# Altium PCB PrintNC_GRBLHAL_Breakout.pcbdoc (part 1 of 9) (continued)
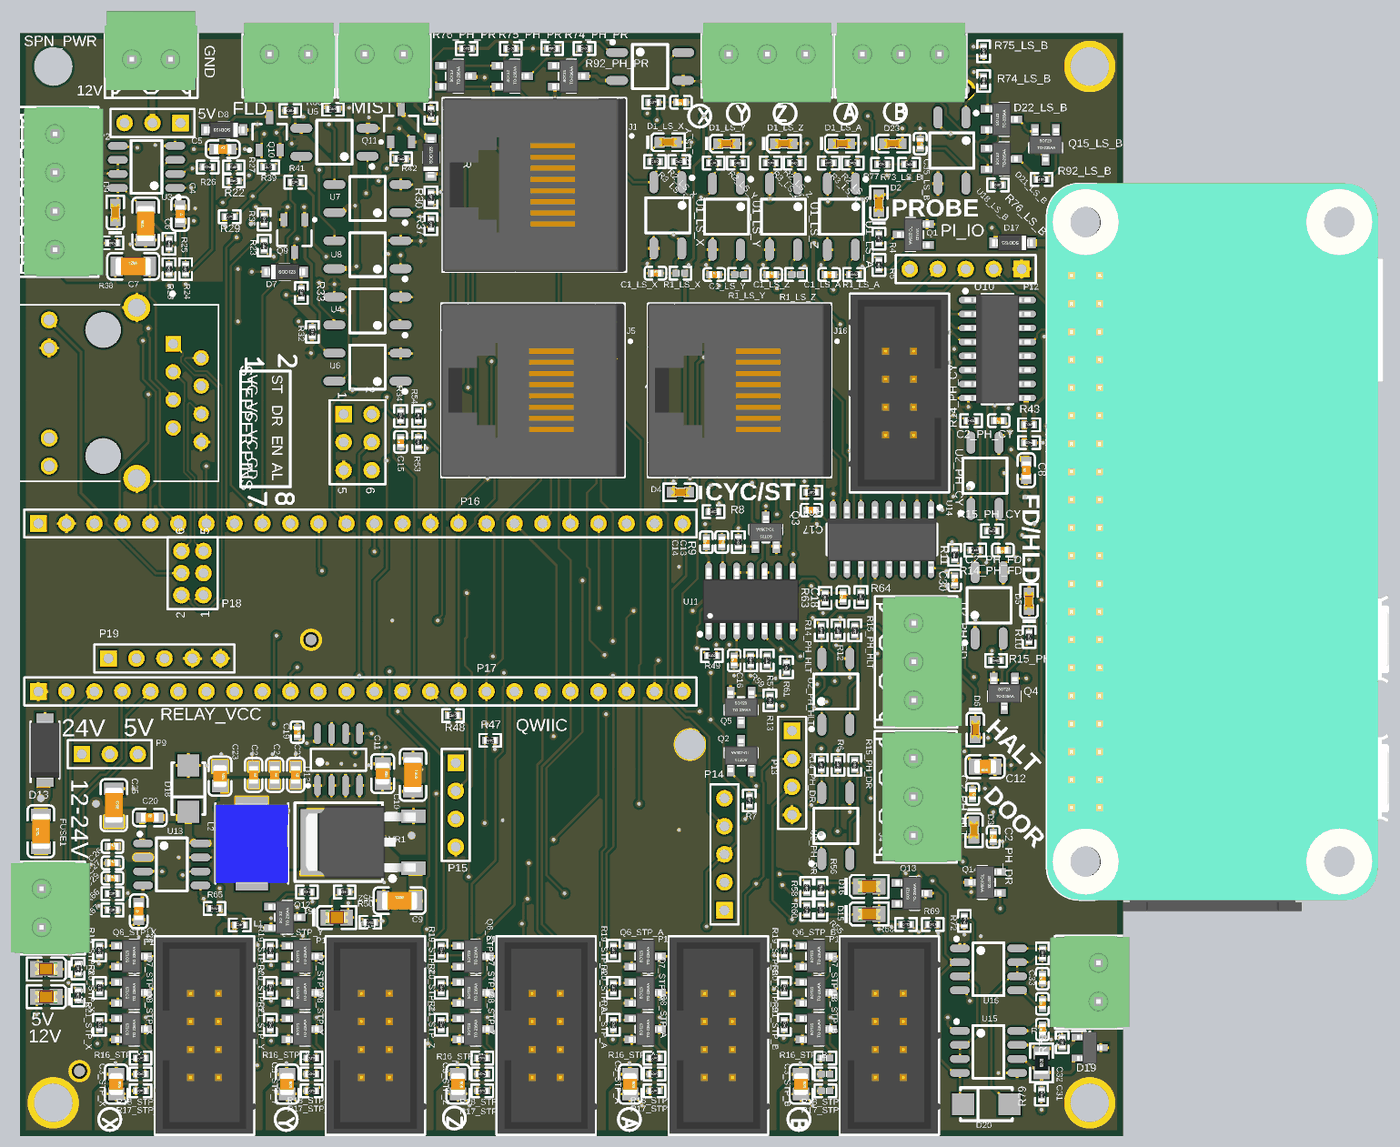
[diagram p12: 3D render of the assembled board from above, using the file's embedded part models]

## Layer stack, top to bottom
Top Solder: solder mask 0.0102, Solder Resist, Dk 3.5
Top Layer: signal copper 0.0356
Dielectric 3: prepreg 0.0711, PP-006, Dk 4.1
GND: signal copper 0.035
Dielectric1: dielectric 0.32, FR-4, Dk 4.8
PWR: signal copper 0.035
Dielectric 4: prepreg 0.0711, PP-006, Dk 4.1
Bottom Layer: signal copper 0.0356
Bottom Solder: solder mask 0.0102, Solder Resist, Dk 3.5

## Board outline
0,0 100,0 100,100 0,100

## Design rules (kind name [scope] priority, off if disabled: settings)
BoardOutlineClearance [OnLayer('Top Layer')] p1: gap=0.508 ignorepadtopadclearanceinfootprint=FALSE
BoardOutlineClearance BoardOutlineClearance_3 [OnLayer('GND')] p2: gap=0.508 ignorepadtopadclearanceinfootprint=FALSE
BoardOutlineClearance BoardOutlineClearance_2 [OnLayer('PWR')] p3: gap=0.508 ignorepadtopadclearanceinfootprint=FALSE
BoardOutlineClearance BoardOutlineClearance_1 [OnLayer('Bottom Layer')] p4: gap=0.508 ignorepadtopadclearanceinfootprint=FALSE
Clearance [All] p1: gap=0.203 ignorepadtopadclearanceinfootprint=TRUE except(0: SMDPad-Hole Fill-Hole Poly-Hole Region-Hole Text-Hole; 0.254: Arc-Text Arc-Hole Track-Text Track-Hole SMDPad-Text THPad-Text Via-Via Via-Text Fill-Fill Fill-Poly Fill-Region Fill-Text Poly-Poly Poly-Region Poly-Text Region-Region Region-Text Text-Text; 0.305: SMDPad-Via THPad-Via; 0.5: THPad-Hole Via-Hole; 0.508: SMDPad-SMDPad SMDPad-THPad THPad-THPad)
Clearance "Pad Clearance" [IsPad vs IsPad] p2: gap=0.254 ignorepadtopadclearanceinfootprint=TRUE except(0: Arc-Hole Track-Hole SMDPad-Hole THPad-Hole Via-Hole Fill-Hole Poly-Hole Region-Hole Text-Hole; 0.203: Arc-Arc Arc-Track Arc-Fill Arc-Poly Arc-Region Track-Track Track-Fill Track-Poly Track-Region SMDPad-Fill SMDPad-Poly SMDPad-Region THPad-Fill THPad-Poly THPad-Region Via-Fill Via-Poly Via-Region; 0.305: SMDPad-Via THPad-Via; 0.508: SMDPad-SMDPad SMDPad-THPad THPad-THPad)
DiffPairsRouting [All] p1: maxlimit=0.254 minlimit=0.203 mostfreqgap=0.203 toplayer_minwidth=0.152 toplayer_maxwidth=0.381 toplayer_prefwidth=0.254 midlayer1_minwidth=0.152 midlayer1_maxwidth=0.381 midlayer1_prefwidth=0.254 midlayer2_minwidth=0.152 midlayer2_maxwidth=0.381 midlayer2_prefwidth=0.254 bottomlayer_minwidth=0.152 bottomlayer_maxwidth=0.381 bottomlayer_prefwidth=0.254 maxuncoupledlength=12.7
HoleSize [All] p1: absolutevalues=TRUE maxlimit=5.08 minlimit=0.025 maxpercent=80.000 minpercent=20.000
MinimumAnnularRing [All] p1: minimumring=0.16
MinimumSolderMaskSliver [All] p1: minsoldermaskwidth=0.127
PolygonConnect [All] p1: connectstyle=Relief reliefconductorwidth=0.254 reliefentries=4 polygonreliefangle="90 Angle" airgapwidth=0.254
RoomDefinition PH_PR [InComponentClass('PH_PR')] p1: confinementstyle=ConfineIn formatcopy=FALSE lockcomponents=FALSE outline 37.125,94.125 61.5,94.125 61.5,102.225 37.125,102.225
RoomDefinition PH_FD [InComponentClass('PH_FD')] p2: confinementstyle=ConfineIn formatcopy=TRUE lockcomponents=FALSE outline 90.5,42.25 90.5,54 85.375,54 85.375,42.25
RoomDefinition PH_CY [InComponentClass('PH_CY')] p3: confinementstyle=ConfineIn formatcopy=TRUE lockcomponents=FALSE outline 90.125,54 90.125,65.75 85,65.75 85,54
RoomDefinition LS_Z [InComponentClass('LS_Z')] p4: confinementstyle=ConfineIn formatcopy=TRUE lockcomponents=FALSE outline 67,91.25 67,77.125 71.5,77.125 71.5,91.25
RoomDefinition LS_Y [InComponentClass('LS_Y')] p5: confinementstyle=ConfineIn formatcopy=TRUE lockcomponents=FALSE outline 61.825,91.25 61.825,77.125 66.325,77.125 66.325,91.25
RoomDefinition LS_X [InComponentClass('LS_X')] p6: confinementstyle=ConfineIn formatcopy=TRUE lockcomponents=FALSE outline 56.5,91.375 56.5,77.25 61,77.25 61,91.375
RoomDefinition LS_A [InComponentClass('LS_A')] p7: confinementstyle=ConfineIn formatcopy=TRUE lockcomponents=FALSE outline 72.25,91.25 72.25,77.125 76.75,77.125 76.75,91.25
RoomDefinition PH_DR [InComponentClass('PH_DR')] p8: confinementstyle=ConfineIn formatcopy=FALSE lockcomponents=FALSE outline 68.765,36.322 68.765,24.13 84.709,24.13 84.709,36.322
RoomDefinition LS_B [InComponentClass('LS_B')] p9: confinementstyle=ConfineIn formatcopy=FALSE lockcomponents=FALSE outline 86.138,85.5 61.5,85.5 61.5,101.645 86.138,101.645
RoomDefinition STP_Z [InComponentClass('STP_Z')] p10: confinementstyle=ConfineIn formatcopy=TRUE lockcomponents=FALSE outline 52.832,-0.381 42.724,-0.381 42.724,1.36 38.246,1.36 38.246,8.751 37.249,8.751 37.249,12.097 37.249,14.755 37.249,18.14 42.724,18.14 42.724,18.597 52.832,18.597
RoomDefinition STP_Y [InComponentClass('STP_Y')] p11: confinementstyle=ConfineIn formatcopy=TRUE lockcomponents=FALSE outline 37.338,-0.381 27.23,-0.381 27.23,1.36 22.752,1.36 22.752,8.751 21.755,8.751 21.755,12.097 21.755,14.755 21.755,18.14 27.23,18.14 27.23,18.597 37.338,18.597
RoomDefinition STP_X [InComponentClass('STP_X')] p12: confinementstyle=ConfineIn formatcopy=TRUE lockcomponents=FALSE outline 21.844,-0.381 11.736,-0.381 11.736,1.36 7.258,1.36 7.258,8.751 6.261,8.751 6.261,12.097 6.261,14.755 6.261,18.14 11.736,18.14 11.736,18.597 21.844,18.597
RoomDefinition STP_B [InComponentClass('STP_B')] p13: confinementstyle=ConfineIn formatcopy=TRUE lockcomponents=FALSE outline 83.947,-0.381 73.839,-0.381 73.839,1.36 69.361,1.36 69.361,8.751 68.364,8.751 68.364,12.097 68.364,14.755 68.364,18.14 73.839,18.14 73.839,18.597 83.947,18.597
RoomDefinition STP_A [InComponentClass('STP_A')] p14: confinementstyle=ConfineIn formatcopy=TRUE lockcomponents=FALSE outline 68.453,-0.381 58.345,-0.381 58.345,1.36 53.867,1.36 53.867,8.751 52.87,8.751 52.87,12.097 52.87,14.755 52.87,18.14 58.345,18.14 58.345,18.597 68.453,18.597
RoomDefinition SPINDLE [InComponentClass('SPINDLE')] p15: confinementstyle=ConfineIn formatcopy=TRUE lockcomponents=FALSE outline 36.957,101.517 0.091,101.517 0.091,69.513 36.957,69.513
RoutingVias [All] p1: holewidth=0.711 width=1.27 viastyle="Through Hole" minholewidth=0.711 minwidth=1.27 maxholewidth=0.711 maxwidth=1.27 useviatemplates=TRUE viatemplateguid#1={29321985-CF2A-4769-A0B6-67998678A9C6} viatemplatename#1=v70h35m0mx0
SilkToSolderMaskClearance SilkscreenOverComponentPads [IsPad] p1: minsilkscreentomaskgap=0.254 clearancetoexposedcopper=TRUE
SolderMaskExpansion [All] p1: expansion=0.102 istentingtop=FALSE
ViasUnderSMD [All] p1: allowed=FALSE
Width [All] p1: maxlimit=5.08 minlimit=0.152 preferedwidth=0.203 minimp=50.000000 maximp=50.000000 favimp=50.000000
26 further rules are at their usual default settings.

## Classes and differential pairs
channel class 1x_limit_switch: LS_A LS_X LS_Y LS_Z
component class LIM_SW: D23 J1 J2 J3 R77
component class USR_SW: D2 D3 D4 D5 D6 J4 J5 J6 Q1 Q2 Q3 Q4 Q5 R4 R5 R6 R7 R8 R9 R10 R11 R12 R13
component class SPINDLE_SYNC: C30 J16 U14
component class MODBUS: C31 C32 C33 D19 D20 R68 R69 R70 R71 R72 R78 R79 U15 U16
component class LS_B: C35_LS_B D21_LS_B D22_LS_B Q15_LS_B R73_LS_B R74_LS_B R75_LS_B R76_LS_B R92_LS_B U18_LS_B
component class EXT_KEYPAD: P14 P15
component class 5V_Supply: C20 C21 C22 C23 C24 C25 C26 C27 C28 C29 D18 J15 L2 R65 R66 R67 U13
component class LS_A: C1_LS_A D1_LS_A R1_LS_A R2_LS_A R3_LS_A U1_LS_A
channel class Stepper_driver: STP_A STP_B STP_C STP_X STP_Y STP_Z
channel class Photocoupler12Vinput: PH_CY PH_DR PH_FD PH_HLT PH_RES
channel class 2xparallelswitch: LS_B LS_C PH_PR
component class STP_Z: C3_STP_Z P1_STP_Z Q6_STP_Z Q7_STP_Z Q8_STP_Z R16_STP_Z R17_STP_Z R18_STP_Z R19_STP_Z R20_STP_Z R21_STP_Z
component class STP_Y: C3_STP_Y P1_STP_Y Q6_STP_Y Q7_STP_Y Q8_STP_Y R16_STP_Y R17_STP_Y R18_STP_Y R19_STP_Y R20_STP_Y R21_STP_Y
component class STP_X: C3_STP_X P1_STP_X Q6_STP_X Q7_STP_X Q8_STP_X R16_STP_X R17_STP_X R18_STP_X R19_STP_X R20_STP_X R21_STP_X
component class STP_B: C3_STP_B P1_STP_B Q6_STP_B Q7_STP_B Q8_STP_B R16_STP_B R17_STP_B R18_STP_B R19_STP_B R20_STP_B R21_STP_B
component class STP_A: C3_STP_A P1_STP_A Q6_STP_A Q7_STP_A Q8_STP_A R16_STP_A R17_STP_A R18_STP_A R19_STP_A R20_STP_A R21_STP_A
component class SPINDLE: C4 C5 C6 D7 D8 D9 D10 J7 J8 P2 P3 P4 P5 Q9 Q10 Q11 R22 R23 R24 R25 R26 R27 R28 R29 R30 R31 R32 R33 R34 R35 R36 R37 R38 R39 R40 R41 R42 U3 U4 U5 U6 U7 U8
component class PH_PR: C35_PH_PR D21_PH_PR D22_PH_PR Q15_PH_PR R73_PH_PR R74_PH_PR R75_PH_PR R76_PH_PR R92_PH_PR U18_PH_PR
component class PH_HLT: C2_PH_HLT R14_PH_HLT R15_PH_HLT U2_PH_HLT
component class PH_FD: C2_PH_FD R14_PH_FD R15_PH_FD U2_PH_FD
component class PH_DR: C2_PH_DR R14_PH_DR R15_PH_DR U2_PH_DR
component class PH_CY: C2_PH_CY R14_PH_CY R15_PH_CY U2_PH_CY
component class LS_Z: C1_LS_Z D1_LS_Z R1_LS_Z R2_LS_Z R3_LS_Z U1_LS_Z
component class LS_Y: C1_LS_Y D1_LS_Y R1_LS_Y R2_LS_Y R3_LS_Y U1_LS_Y
component class LS_X: C1_LS_X D1_LS_X R1_LS_X R2_LS_X R3_LS_X U1_LS_X
component class U_PrintNC_BREAKOUT: A1 AD_L Analog C7 C8 C9 C10 C11 C12 C13 C14 C15 C16 C17 C18 C19 D11 D12 D13 D14 D15 D16 D17 FUSE1 J9 J10 J11 J12 J13 J14 L1 P6 P7 P8 P9 P10 P11 P12 P13 P16 P17 P18 P19 PWM_L Q12 Q13 Q14 R43 R44 R45 R46 R47 R48 R49 R50 R51 R52 R53 R54 R55 R56 R57 R58 R59 R60 R61 R62 R63 R64 U10 U11 U12 VR1
differential pair ET: +ET_p -ET_n
differential pair ER: +ER_p -ER_n

## Components (designator, comment, footprint, x,y, rotation, side; value= is the part's Value field where it differs from the comment)
A1 "ADA3708" ADA3708_RPI-ZERO 96.573,53.89 r90 top locked
C1_LS_A "100nF" 0402_C 73.375,78.125 r0 top (schematic designator C1)
C1_LS_X "100nF" 0402_C 57.625,78.25 r0 top (schematic designator C1)
C1_LS_Y "100nF" 0402_C 62.95,78.125 r0 top (schematic designator C1)
C1_LS_Z "100nF" 0402_C 68.125,78.125 r0 top (schematic designator C1)
C2_PH_CY "100nF" 0402_C 88.75,64.875 r180 top (schematic designator C2)
C2_PH_DR "100nF" 0402_C 88.25,27.125 r90 top (schematic designator C2)
C2_PH_FD "100nF" 0402_C 89.125,53.125 r180 top (schematic designator C2)
C2_PH_HLT "100nF" 0402_C 86.375,31 r270 top (schematic designator C2)
C3_STP_A "22uF" 0805_C 55.323,4.702 r270 top (schematic designator C3)
C3_STP_B "22uF" 0805_C 70.817,4.702 r270 top (schematic designator C3)
C3_STP_X "22uF" 0805_C 8.714,4.702 r270 top (schematic designator C3)
C3_STP_Y "22uF" 0805_C 24.208,4.702 r270 top (schematic designator C3)
C3_STP_Z "22uF" 0805_C 39.702,4.702 r270 top (schematic designator C3)
C4 "100nF" 0603_C 14.5,83.625 r270 top
C5 "1uF" 0603_C 18.375,89.5 r0 top
C6 "10uF" 1206_C 11.375,82.75 r90 top
C7 "100nF" 1206_C 10.25,78.875 r0 top
C8 "100nF" 0603_C 91.25,60.375 r90 top
C9 "10uF" 1206_C 34.417,21.336 r0 top
C10 "10uF" 1206_C 35.625,32.75 r270 top
C11 "22uF" 0805_C 32.875,32.86 r270 top
C12 "22uF" 0805_C 87.515,33.5 r180 top
C13 "100nF" 0402_C 63.625,53.875 r270 top
C14 "1.0uF" 0402_C 62.23,53.848 r90 top
C15 "10nF" 0402_C 34.5,62.95 r90 top
C16 "10nF" 0402_C 64.75,43.125 r90 top
C17 "10nF" 0402_C 71.75,56.75 r180 top
C18 "10nF" 0402_C 74.625,48.875 r90 top
C19 "1.0uF" 0402_C 25.125,36.625 r270 top
C20 "100nF" 0603_C 11.75,28.875 r0 top
C21 "10uF" 0603_C 21.175,32.738 r270 top
C22 "10uF" 0603_C 24.985,32.738 r270 top
C23 "22uF" 0805_C 18.125,32.625 r270 top
C24 "10uF" 0603_C 23.08,32.738 r270 top
C25 "10uF" 1206_C 8.5,30 r270 top
C26 "10nF" 0402_C 8.375,26.25 r0 top
C27 "10pF" 0402_C 8.375,24.765 r0 top
C28 "8.2nF" 0603_C 10.75,20.375 r90 top
C29 "6.8nF" 0402_C 8.375,23.375 r0 top
C30 "1.0uF" 0402_C 84.75,50.375 r90 top
C31 "1.0uF" 0402_C 92.71,9.652 r90 top
C32 "10nF" 0402_C 92.71,11.977 r90 top
C33 "10nF" 0402_C 92.71,14.263 r90 top
C35_LS_B "100nF" 0402_C 81.625,90 r270 top (schematic designator C35)
C35_PH_PR "100nF" 0402_C 59.925,93.75 r180 top (schematic designator C35)
D1_LS_A "0603 Yellow" 0603_LED_S1 74.5,90 r0 top (schematic designator D1)
D1_LS_X "0603 Yellow" 0603_LED_S1 58.75,90.125 r0 top (schematic designator D1)
D1_LS_Y "0603 Yellow" 0603_LED_S1 64.075,90 r0 top (schematic designator D1)
D1_LS_Z "0603 Yellow" 0603_LED_S1 69.25,90 r0 top (schematic designator D1)
D2 "0603 White" 0603_LED_S1 77.875,84.605 r90 top
D3 "0603 Yellow" 0603_LED_S1 86.5,27.75 r270 top
D4 "0603 Green" 0603_LED_S1 59.875,58.375 r180 top
D5 "0603 Yellow" 0603_LED_S1 91.5,48.5 r90 top
D6 "0603 Red" 0603_LED_S1 86.625,36.875 r270 top
D7 "B5819W  SL" SOD-123 24,78.375 r0 top
D8 "B5819W  SL" SOD-123 18.5,91.25 r180 top
D9 "0603 White" 0603_LED_S1 8.625,83.75 r90 top
D10 "B5819W  SL" SOD-123 37.25,88.75 r90 top
D11 "0805 Green" 0805_LED_S1 2.375,12.625 r180 top
D12 "0805 Green" 0805_LED_S1 2.375,15.125 r180 top
D13 "SMAZ27-13-F" DIOM5226X240N 2.25,35 r90 top
D14 "0805 Blue" 0805_LED_S1 28.702,19.812 r0 top
D15 "0805 Red" 0805_LED_S1 76.996,20.128 r0 top
D16 "0805 Green" 0805_LED_S1 76.996,22.628 r0 top
D17 "B5819W  SL" SOD-123 90,81 r180 top
D18 "SS54" SMA(DO-214AC)_S1 15.25,31.5 r90 top
D19 "SM712" SOT95P230X117-3N 97,8 r0 top
D20 "SS210" SMA(DO-214AC)_S1 87.625,2.875 r0 top
D21_LS_B "BAV23C" SOT-23(SOT-23-3) 89,88.625 r180 top (schematic designator D21)
D21_PH_PR "BAV23C" SOT-23(SOT-23-3) 44.625,96.125 r180 top (schematic designator D21)
D22_LS_B "BAV23A" SOT-23(SOT-23-3) 89,92.2 r180 top (schematic designator D22)
D22_PH_PR "BAV23A" SOT-23(SOT-23-3) 39.5,96.125 r180 top (schematic designator D22)
D23 "0603 Yellow" 0603_LED_S1 79.145,90 r0 top
FID1 "" Fiducial10-20 85.625,94.875 r0 top value=Fiducial
FID2 "Fiducial" Fiducial10-20 26.375,45 r0 top
FID3 "Fiducial" Fiducial10-20 5.375,5.875 r0 top
FUSE1 "24V 1A" 1206_C 1.875,27.625 r90 top
J1 "424108314" FP-5555799-1-MFG#1 46.625,86.25 r270 top locked
J2 "" SL_3_50_180G_03 79.875,97.905 r180 top
J3 "" SL_3_50_180G_03 67.75,97.905 r180 top
J4 "" SL_3_50_180G_03 81.22,30.75 r270 top
J5 "424108314" FP-5555799-1-MFG#1 46.5,67.625 r270 top
J6 "" SL_3_50_180G_03 81.25,43 r270 top
J7 "2 way net solder junction - Normally Open" 2waySolder_NO 17.5,91.5 r0 bottom
J8 "" SL_SMT_3_5_180G_04 3.375,85.625 r270 top
J9 "2 way net solder junction - Normally Open" 2waySolder_NO 35.5,64.875 r90 bottom
J10 "2 way net solder junction - Normally Open" 2waySolder_NO 28.125,22.25 r270 bottom
J11 "2 way net solder junction - Normally Open" 2waySolder_NO 47.747,24.926 r0 bottom
J12 "2 way net solder junction - Normally Open" 2waySolder_NO 47.747,16.29 r0 bottom
J13 "2 way net solder junction - Normally Open" 2waySolder_NO 47.747,19.169 r0 bottom
J14 "2 way net solder junction - Normally Open" 2waySolder_NO 47.747,22.047 r0 bottom
J15 "2 way net solder junction - Normally Open" 2waySolder_NO 9.375,25.25 r0 bottom
J16 "424108314" FP-5555799-1-MFG#2 65.25,67.625 r270 top
L1 "0Ω ±1%" 0402_R 19.925,19.125 r180 top
L2 "33 uH" INDPM7366X300N 21,26.525 r90 top
Logo1 "Expatria Technologies" Expatria-Logo -1094.701,1154.521 r180 top value="Expatria Logo"
P1_STP_A "C9135" 61200821621 63.324,9.108 r270 top (schematic designator P1)
P1_STP_B "C9135" 61200821621 78.818,9.108 r270 top (schematic designator P1)
P1_STP_X "C9135" 61200821621 16.715,9.108 r270 top (schematic designator P1)
P1_STP_Y "C9135" 61200821621 32.209,9.108 r270 top locked (schematic designator P1)
P1_STP_Z "C9135" 61200821621 47.703,9.108 r270 top (schematic designator P1)
P2 "Header 3" HDR1X3 14.54,91.875 r180 top
P3 "" SL_3_50_180G_02 11.875,97.875 r0 top
P4 "" SL_3_50_180G_02 24.364,97.905 r180 top
P5 "" SL_3_50_180G_02 33,97.905 r180 top
P6 "C9135" 61200821621 79.75,67.375 r90 top
P7 "Magjack" HANRUN_HR911105A 7.526,67.382 r90 top
P8 "" SL_3_50_180G_02 2.159,20.673 r270 top
P9 "Header 3" HDR1X3 5.585,34.625 r0 top
P10 "Header 3X2" HDR2X3 29.335,65.46 r270 top
P11 "" SL_3_50_180G_02 97.57,13.942 r90 top locked
P12 "Header 5" HDR1X5 90.83,78.625 r180 top
P13 "Header 4" HDR1X4 70,36.745 r270 top
P14 "Header 5" HDR1X5 63.875,20.46 r90 top
P15 "Header 4" HDR1X4 39.5,33.83 r270 top
P16 "Header 24" HDR1X24 1.651,55.547 r0 top
P17 "Header 24" HDR1X24 1.651,40.307 r0 top
P18 "Header 6 2mm" "HDR2X3 - 2mm" 16.621,49.047 r90 top
P19 "Header 5" HDR1X5 8.001,43.307 r0 top
Q1 "MMBT5551  G1" SOT-23(SOT-23-3) 81,81.75 r0 top
Q2 "MMBT5551  G1" SOT-23(SOT-23-3) 65.375,34.5 r270 top
Q3 "MMBT5551  G1" SOT-23(SOT-23-3) 67.625,54.75 r270 top
Q4 "MMBT5551  G1" SOT-23(SOT-23-3) 89.25,40.125 r90 top
Q5 "MMBT5551  G1" SOT-23(SOT-23-3) 65.375,38.875 r90 top
Q6_STP_A "MMBT5551  G1" SOT-23(SOT-23-3) 56.7,16.286 r180 top (schematic designator Q6)
Q6_STP_B "MMBT5551  G1" SOT-23(SOT-23-3) 72.194,16.286 r180 top (schematic designator Q6)
Q6_STP_X "MMBT5551  G1" SOT-23(SOT-23-3) 10.091,16.286 r180 top (schematic designator Q6)
Q6_STP_Y "MMBT5551  G1" SOT-23(SOT-23-3) 25.585,16.286 r180 top (schematic designator Q6)
Q6_STP_Z "MMBT5551  G1" SOT-23(SOT-23-3) 41.079,16.286 r180 top (schematic designator Q6)
Q7_STP_A "MMBT5551  G1" SOT-23(SOT-23-3) 56.7,12.984 r180 top (schematic designator Q7)
Q7_STP_B "MMBT5551  G1" SOT-23(SOT-23-3) 72.194,12.984 r180 top (schematic designator Q7)
Q7_STP_X "MMBT5551  G1" SOT-23(SOT-23-3) 10.091,12.984 r180 top (schematic designator Q7)
Q7_STP_Y "MMBT5551  G1" SOT-23(SOT-23-3) 25.585,12.984 r180 top (schematic designator Q7)
Q7_STP_Z "MMBT5551  G1" SOT-23(SOT-23-3) 41.079,12.984 r180 top (schematic designator Q7)
Q8_STP_A "MMBT5551  G1" SOT-23(SOT-23-3) 56.7,9.682 r180 top (schematic designator Q8)
Q8_STP_B "MMBT5551  G1" SOT-23(SOT-23-3) 72.194,9.682 r180 top (schematic designator Q8)
Q8_STP_X "MMBT5551  G1" SOT-23(SOT-23-3) 10.091,9.682 r180 top (schematic designator Q8)
Q8_STP_Y "MMBT5551  G1" SOT-23(SOT-23-3) 25.585,9.682 r180 top (schematic designator Q8)
Q8_STP_Z "MMBT5551  G1" SOT-23(SOT-23-3) 41.079,9.682 r180 top (schematic designator Q8)
Q9 "AO3400A N" SOT-23-3L 24.875,81.625 r90 top
Q10 "AO3400A N" SOT-23-3L 22.625,90.875 r270 top
Q11 "AO3400A N" SOT-23-3L 34.55,91.625 r270 top
Q12 "MMBT5551  G1" SOT-23(SOT-23-3) 24,19.825 r180 top
Q13 "MMBT5401 2L" SOT-23(SOT-23-3) 80.875,22 r180 top
Q14 "MMBT5401 2L" SOT-23(SOT-23-3) 87.5,23 r0 top
Q15_LS_B "MMBT5551  G1" SOT-23(SOT-23-3) 93,89.875 r90 top (schematic designator Q15)
Q15_PH_PR "MMBT5551  G1" SOT-23(SOT-23-3) 49.75,96.125 r180 top (schematic designator Q15)
R1_LS_A "10KΩ ±1%" 0402_R 75.625,78.125 r0 top (schematic designator R1)
R1_LS_X "10KΩ ±1%" 0402_R 59.875,78.25 r0 top (schematic designator R1)
R1_LS_Y "10KΩ ±1%" 0402_R 65.2,78.125 r0 top (schematic designator R1)
R1_LS_Z "10KΩ ±1%" 0402_R 70.375,78.125 r0 top (schematic designator R1)
R2_LS_A "2KΩ ±1%" 0402_R 75.5,88.25 r0 top (schematic designator R2)
R2_LS_X "2KΩ ±1%" 0402_R 59.75,88.375 r0 top (schematic designator R2)
R2_LS_Y "2KΩ ±1%" 0402_R 65.075,88.25 r0 top (schematic designator R2)
R2_LS_Z "2KΩ ±1%" 0402_R 70.25,88.25 r0 top (schematic designator R2)
R3_LS_A "4.7KΩ ±1%" 0402_R 73.325,88.25 r180 top (schematic designator R3)
R3_LS_X "4.7KΩ ±1%" 0402_R 57.575,88.375 r180 top (schematic designator R3)
R3_LS_Y "4.7KΩ ±1%" 0402_R 62.9,88.25 r180 top (schematic designator R3)
R3_LS_Z "4.7KΩ ±1%" 0402_R 68.075,88.25 r180 top (schematic designator R3)
R4 "2KΩ ±1%" 0402_R 77.875,81.375 r270 top
R5 "51KΩ ±1%" 0402_R 77.875,79 r270 top
R6 "2KΩ ±1%" 0402_R 74.168,33.655 r90 top
R7 "51KΩ ±1%" 0402_R 66.125,30.425 r90 top
R8 "2KΩ ±1%" 0402_R 62.875,56.625 r0 top
R9 "51KΩ ±1%" 0402_R 65.125,53.875 r270 top
R10 "2KΩ ±1%" 0402_R 91.5,45.25 r270 top
R11 "51KΩ ±1%" 0402_R 84.75,52.7 r270 top
R12 "2KΩ ±1%" 0402_R 74.168,45.847 r270 top
R13 "51KΩ ±1%" 0402_R 68,39.5 r90 top
R14_PH_CY "4.7KΩ ±1%" 0402_R 86.25,64.875 r0 top (schematic designator R14)
R14_PH_DR "4.7KΩ ±1%" 0402_R 72.644,33.655 r90 top (schematic designator R14)
R14_PH_FD "4.7KΩ ±1%" 0402_R 86.625,53.125 r0 top (schematic designator R14)
R14_PH_HLT "4.7KΩ ±1%" 0402_R 72.644,45.847 r90 top (schematic designator R14)
R15_PH_CY "1KΩ ±1%" 0402_R 88.125,54.875 r0 top (schematic designator R15)
R15_PH_DR "1KΩ ±1%" 0402_R 75.692,33.655 r270 top (schematic designator R15)
R15_PH_FD "1KΩ ±1%" 0402_R 88.5,43.125 r0 top (schematic designator R15)
R15_PH_HLT "1KΩ ±1%" 0402_R 75.692,45.847 r270 top (schematic designator R15)
R16_STP_A "4.7KΩ ±1%" 0402_R 57.53,7.062 r180 top (schematic designator R16)
R16_STP_B "4.7KΩ ±1%" 0402_R 73.024,7.062 r180 top (schematic designator R16)
R16_STP_X "4.7KΩ ±1%" 0402_R 10.921,7.062 r180 top (schematic designator R16)
R16_STP_Y "4.7KΩ ±1%" 0402_R 26.415,7.062 r180 top (schematic designator R16)
R16_STP_Z "4.7KΩ ±1%" 0402_R 41.909,7.062 r180 top (schematic designator R16)
R17_STP_A "4.7KΩ ±1%" 0402_R 57.53,4.087 r180 top (schematic designator R17)
R17_STP_B "4.7KΩ ±1%" 0402_R 73.024,4.087 r180 top (schematic designator R17)
R17_STP_X "4.7KΩ ±1%" 0402_R 10.921,4.087 r180 top (schematic designator R17)
R17_STP_Y "4.7KΩ ±1%" 0402_R 26.415,4.087 r180 top (schematic designator R17)
R17_STP_Z "4.7KΩ ±1%" 0402_R 41.909,4.087 r180 top (schematic designator R17)
R18_STP_A "4.7KΩ ±1%" 0402_R 57.53,5.611 r180 top (schematic designator R18)
R18_STP_B "4.7KΩ ±1%" 0402_R 73.024,5.611 r180 top (schematic designator R18)
R18_STP_X "4.7KΩ ±1%" 0402_R 10.921,5.611 r180 top (schematic designator R18)
R18_STP_Y "4.7KΩ ±1%" 0402_R 26.415,5.611 r180 top (schematic designator R18)
R18_STP_Z "4.7KΩ ±1%" 0402_R 41.909,5.611 r180 top (schematic designator R18)
R19_STP_A "2.2KΩ ±1%" 0402_R 53.799,16.811 r90 top (schematic designator R19)
R19_STP_B "2.2KΩ ±1%" 0402_R 69.293,16.811 r90 top (schematic designator R19)
R19_STP_X "2.2KΩ ±1%" 0402_R 7.19,16.811 r90 top (schematic designator R19)
R19_STP_Y "2.2KΩ ±1%" 0402_R 22.684,16.811 r90 top (schematic designator R19)
R19_STP_Z "2.2KΩ ±1%" 0402_R 38.178,16.811 r90 top (schematic designator R19)
R20_STP_A "2.2KΩ ±1%" 0402_R 53.799,13.426 r90 top (schematic designator R20)
R20_STP_B "2.2KΩ ±1%" 0402_R 69.293,13.426 r90 top (schematic designator R20)
R20_STP_X "2.2KΩ ±1%" 0402_R 7.19,13.426 r90 top (schematic designator R20)
R20_STP_Y "2.2KΩ ±1%" 0402_R 22.684,13.426 r90 top (schematic designator R20)
R20_STP_Z "2.2KΩ ±1%" 0402_R 38.178,13.426 r90 top (schematic designator R20)
R21_STP_A "2.2KΩ ±1%" 0402_R 53.799,10.08 r90 top (schematic designator R21)
R21_STP_B "2.2KΩ ±1%" 0402_R 69.293,10.08 r90 top (schematic designator R21)
R21_STP_X "2.2KΩ ±1%" 0402_R 7.19,10.08 r90 top (schematic designator R21)
R21_STP_Y "2.2KΩ ±1%" 0402_R 22.684,10.08 r90 top (schematic designator R21)
R21_STP_Z "2.2KΩ ±1%" 0402_R 38.178,10.08 r90 top (schematic designator R21)
R22 "10KΩ ±1%" 0402_R 19.375,86.625 r180 top
R23 "510Ω ±1%" 0402_R 22.125,80.75 r270 top
R24 "4.7KΩ ±1%" 0402_R 15,78.625 r270 top
R25 "10KΩ ±1%" 0402_R 13.5,80.925 r270 top
R26 "4.7KΩ ±1%" 0402_R 17,87.875 r180 top
R27 "100KΩ ±1%" 0402_R 19.375,87.875 r0 top
R28 "10KΩ ±1%" 0402_R 13.5,78.625 r270 top
R29 "4.7KΩ ±1%" 0402_R 19,83.375 r180 top
R30 "510Ω ±1%" 0402_R 37.25,85.125 r90 top
R31 "0Ω ±1%" 0402_R 24.5,93 r0 top
R32 "0Ω ±1%" 0402_R 26.5,72.925 r90 top
R33 "4.7KΩ ±1%" 0402_R 25.5,76.45 r270 top
R34 "510Ω ±1%" 0402_R 34.5,65.3 r90 top
R35 "1KΩ ±1%" 0402_R 22.125,83.125 r90 top
R36 "0Ω ±1%" 0402_R 28.375,93.125 r180 top
R37 "510Ω ±1%" 0402_R 37.25,82.7 r90 top
R38 "4.7KΩ ±1%" 0402_R 8.375,81 r0 top
R39 "1KΩ ±1%" 0402_R 22.5,87.875 r180 top
R40 "0Ω ±1%" 0402_R 37.25,92.75 r90 top
R41 "510Ω ±1%" 0402_R 24.95,86.5 r0 top
R42 "1KΩ ±1%" 0402_R 34.55,88.625 r180 top
R43 "0Ω ±1%" 0402_R 91.5,64.5 r180 top
R44 "0Ω ±1%" 0402_R 91.5,62.875 r180 top
R45 "10KΩ ±1%" 0402_R 5.25,12.75 r270 top
R46 "2KΩ ±1%" 0402_R 5.25,15.175 r90 top
R47 "4.7KΩ ±1%" 0402_R 42.625,35.875 r0 top
R48 "4.7KΩ ±1%" 0402_R 39.25,38.125 r180 top
R49 "10KΩ ±1%" 0402_R 62.738,43.561 r0 top
R50 "0Ω ±1%" 0402_R 31.75,19.375 r0 top
R51 "10KΩ ±1%" 0402_R 26,22.125 r180 top
R52 "2KΩ ±1%" 0402_R 29.425,22.125 r180 top
R53 "100KΩ ±1%" 0402_R 36.125,62.95 r270 top
R54 "510Ω ±1%" 0402_R 36.125,65.3 r270 top
R55 "4.7KΩ ±1%" 0402_R 72.625,20.5 r270 top
R56 "5.6KΩ ±1%" 0402_R 72.625,22.5 r90 top
R57 "100KΩ ±1%" 0402_R 67.75,43.125 r270 top
R58 "51KΩ ±1%" 0402_R 71.334,22.496 r270 top
R59 "510Ω ±1%" 0402_R 66.25,43.125 r90 top
R60 "51KΩ ±1%" 0402_R 71.334,20.496 r90 top
R61 "100KΩ ±1%" 0402_R 69.5,42.5 r270 top
R62 "510Ω ±1%" 0402_R 71.75,58.375 r180 top
R63 "100KΩ ±1%" 0402_R 73,48.8 r270 top
R64 "510Ω ±1%" 0402_R 76.25,48.875 r270 top
R65 "10KΩ ±1%" 0402_R 17.625,20.625 r0 top
R66 "51KΩ ±1%" 0402_R 8.375,21.971 r180 top
R67 "2KΩ ±1%" 0402_R 8.375,20.5 r180 top
R68 "2KΩ ±1%" 0402_R 80.347,19.177 r0 top
R69 "8.2KΩ ±1%" 0402_R 82.76,19.177 r0 top
R70 "120Ω ±1%" 0805_R 92.625,6.625 r90 top
R71 "3.9KΩ ±1%" 0402_R 92.71,16.554 r90 top
R72 "10KΩ ±1%" 0402_R 85.625,19.5 r90 top
R73_LS_B "10KΩ ±1%" 0402_R 80.625,88.125 r0 top (schematic designator R73)
R73_PH_PR "10KΩ ±1%" 0402_R 57.425,93.75 r180 top (schematic designator R73)
R74_LS_B "2KΩ ±1%" 0402_R 87.375,95.675 r90 top (schematic designator R74)
R74_PH_PR "2KΩ ±1%" 0402_R 48.25,98.625 r180 top (schematic designator R74)
R75_LS_B "4.7KΩ ±1%" 0402_R 87.375,98.375 r90 top (schematic designator R75)
R75_PH_PR "4.7KΩ ±1%" 0402_R 44.5,98.625 r0 top (schematic designator R75)
R76_LS_B "4.7KΩ ±1%" 0402_R 88.675,86.25 r0 top (schematic designator R76)
R76_PH_PR "4.7KΩ ±1%" 0402_R 40.5,98.625 r0 top (schematic designator R76)
R77 "1.2KΩ ±1%" 0402_R 78.175,88.125 r180 top
R78 "10KΩ ±1%" 0402_R 94.5,8.5 r90 top
R79 "10KΩ ±1%" 0402_R 92.625,3.75 r90 top
R92_LS_B "47KΩ ±1%" 0402_R 92.625,86.75 r0 top (schematic designator R92)
R92_PH_PR "47KΩ ±1%" 0402_R 51.175,98.625 r0 top (schematic designator R92)
U1_LS_A "EL357N(B)(TA)-G" SOP-4_P2.54 74.48,83.375 r270 top (schematic designator U1)
U1_LS_X "EL357N(B)(TA)-G" SOP-4_P2.54 58.73,83.5 r270 top (schematic designator U1)
U1_LS_Y "EL357N(B)(TA)-G" SOP-4_P2.54 64.055,83.375 r270 top (schematic designator U1)
U1_LS_Z "EL357N(B)(TA)-G" SOP-4_P2.54 69.23,83.375 r270 top (schematic designator U1)
U2_PH_CY "EL357N(B)(TA)-G" SOP-4_P2.54 87.5,59.875 r90 top (schematic designator U2)
U2_PH_DR "EL357N(B)(TA)-G" SOP-4_P2.54 73.972,28.11 r90 top (schematic designator U2)
U2_PH_FD "EL357N(B)(TA)-G" SOP-4_P2.54 87.875,48.125 r90 top (schematic designator U2)
U2_PH_HLT "EL357N(B)(TA)-G" SOP-4_P2.54 73.972,40.302 r90 top (schematic designator U2)
U3 "LM358DR2G" SOIC-8_150mil 11.456,87.886 r90 top
U4 "EL357N(B)(TA)-G" SOP-4_P2.54 31.5,74.824 r180 top
U5 "EL357N(B)(TA)-G" SOP-4_P2.54 28.5,90.125 r180 top
U6 "EL357N(B)(TA)-G" SOP-4_P2.54 31.496,69.723 r180 top
U7 "EL357N(B)(TA)-G" SOP-4_P2.54 31.5,85.024 r180 top
U8 "EL357N(B)(TA)-G" SOP-4_P2.54 31.5,79.924 r180 top
U10 "ULN2003AFWG" SOIC-16_150mil 88.625,71.375 r270 top
U11 "74HC14D" SOIC-14_150mil 66.25,48.5 r0 top
U12 "24LC16BT-I/SN" SOIC-SN8_L 28.875,34.125 r90 top
U13 "TPS54331DR" SOIC-8_150mil 13.75,24.625 r270 top
U14 "AM26LS32ACDRG4" SOIC-16_150mil 78.155,54.1 r180 top
U15 "SN75176BDR" SOIC-8_150mil 87.821,7.62 r270 top
U16 "NE555DR" SOIC-8_150mil 87.821,15.113 r270 top value=NE555
U18_LS_B "EL357N(B)(TA)-G" SOP-4_P2.54 84.5,89.375 r270 top (schematic designator U18)
U18_PH_PR "EL357N(B)(TA)-G" SOP-4_P2.54 57.125,97 r0 top (schematic designator U18)
VR1 "L78M12ABDT-TR" TO-252-2-180 35.668,26.642 r180 top

## Footprints (in the part's own frame and the unit in brackets; to place one, negate y for a bottom-side part, rotate by r counter-clockwise, add the part's x,y. Pads: shape width x height; smd on the part's side, far side on the other; paste and mask are expansions set on the pad)
2waySolder_NO [mm] "2 way net solder junction - Normally Open"
  rect 1x2 smd paste-1.016: 1(-0.65,0) 2(0.65,0)
  silkscreen extent -0.62,-1.8 0.65,-1.37
0402_C [mm]
  rect 0.6x0.65 smd mask+0.051: 1(-0.425,0) 2(0.425,0)
  silkscreen extent -0.97,-0.58 0.98,0.57, body extent -0.48,-0.3 0.52,0.3, height 0.2
0402_R [mm]
  rect 0.6x0.65 smd mask+0.051: 1(-0.425,0) 2(0.425,0)
  silkscreen extent -0.97,-0.58 0.97,0.58, body extent -0.57,-0.27 0.58,0.28, height 0.41
0603_C [mm]
  rect 0.93x0.98 smd: 1(-0.77,0) 2(0.77,0)
  silkscreen extent -1.53,-0.79 1.54,0.79, body extent -0.8,-0.4 0.8,0.4, height 0.3
0603_LED_S1 [mm]
  rect 0.93x0.98 smd: A(0.77,0) K(-0.77,0)
  silkscreen extent -1.98,-0.79 1.54,0.79, body extent -0.8,-0.4 0.8,0.4, height 0.6
0805_C [mm]
  rect 1.16x1.47 smd: 1(-0.89,0) 2(0.89,0)
  silkscreen extent -1.77,-1.04 1.77,1.04, body extent -1,-0.62 1,0.63, height 0.77
0805_LED_S1 [mm]
  rect 1.16x1.47 smd: A(0.89,0) K(-0.89,0)
  silkscreen extent -2.25,-1.04 1.77,1.03, body extent -1.01,-0.62 1.01,0.62, height 1.1
0805_R [mm]
  rect 1.16x1.47 smd: 1(-0.89,0) 2(0.89,0)
  silkscreen extent -1.77,-1.04 1.77,1.03, body extent -1,-0.62 1,0.63, height 0.49
1206_C [mm]
  rect 1.13x1.8 smd: 1(-1.49,0) 2(1.49,0)
  silkscreen extent -2.36,-1.2 2.36,1.2, body extent -1.6,-0.81 1.6,0.79, height 1
61200821621 [mm] "8 pins, straight, gold plating"
  rect 1.6x1.6 hole 1.1: 1(-3.81,-1.27)
  round 1.6 hole 1.1: 2(-3.81,1.27) 3(-1.27,-1.27) 4(-1.27,1.27) 5(1.27,-1.27) 6(1.27,1.27) 7(3.81,-1.27) 8(3.81,1.27)
  silkscreen extent -9.01,-4.5 9.01,4.5, body extent -8.91,-4.42 8.91,4.75, height 9.13
ADA3708_RPI-ZERO [mm] "Mirrored connector mounting"
  rect 1.508x1.508 hole 1: 1(24.13,-1.27)
  round 1.508 hole 1: 2(24.13,1.27) 3(21.59,-1.27) 4(21.59,1.27) 5(19.05,-1.27) 6(19.05,1.27) 7(16.51,-1.27) 8(16.51,1.27) 9(13.97,-1.27) 10(13.97,1.27) 11(11.43,-1.27) 12(11.43,1.27) 13(8.89,-1.27) 14(8.89,1.27) 15(6.35,-1.27) 16(6.35,1.27) 17(3.81,-1.27) 18(3.81,1.27) 19(1.27,-1.27) 20(1.27,1.27) 21(-1.27,-1.27) 22(-1.27,1.27) 23(-3.81,-1.27) 24(-3.81,1.27) 25(-6.35,-1.27) 26(-6.35,1.27) 27(-8.89,-1.27) 28(-8.89,1.27) 29(-11.43,-1.27) 30(-11.43,1.27) 31(-13.97,-1.27) 32(-13.97,1.27) 33(-16.51,-1.27) 34(-16.51,1.27) 35(-19.05,-1.27) 36(-19.05,1.27) 37(-21.59,-1.27) 38(-21.59,1.27) 39(-24.13,-1.27) 40(-24.13,1.27)
  round 2.75 hole 2.75 unplated: _1(-29,0) ""(29,0)
  silkscreen extent -32.51,-3.64 32.51,3.5, body extent -33.5,-27.56 32.5,3.44, height 11.18
DIOM5226X240N [mm]
  rect 2.35x1.55 smd: 1(2.15,0) 2(-2.15,0)
  silkscreen extent -2.93,-1.3 2.6,1.3, body extent -2.6,-1.3 2.6,1.3, height 2.4
Expatria-Logo [mil] "Expatria DXF logo"